# KiCad board Plume.kicad_pcb (continued)
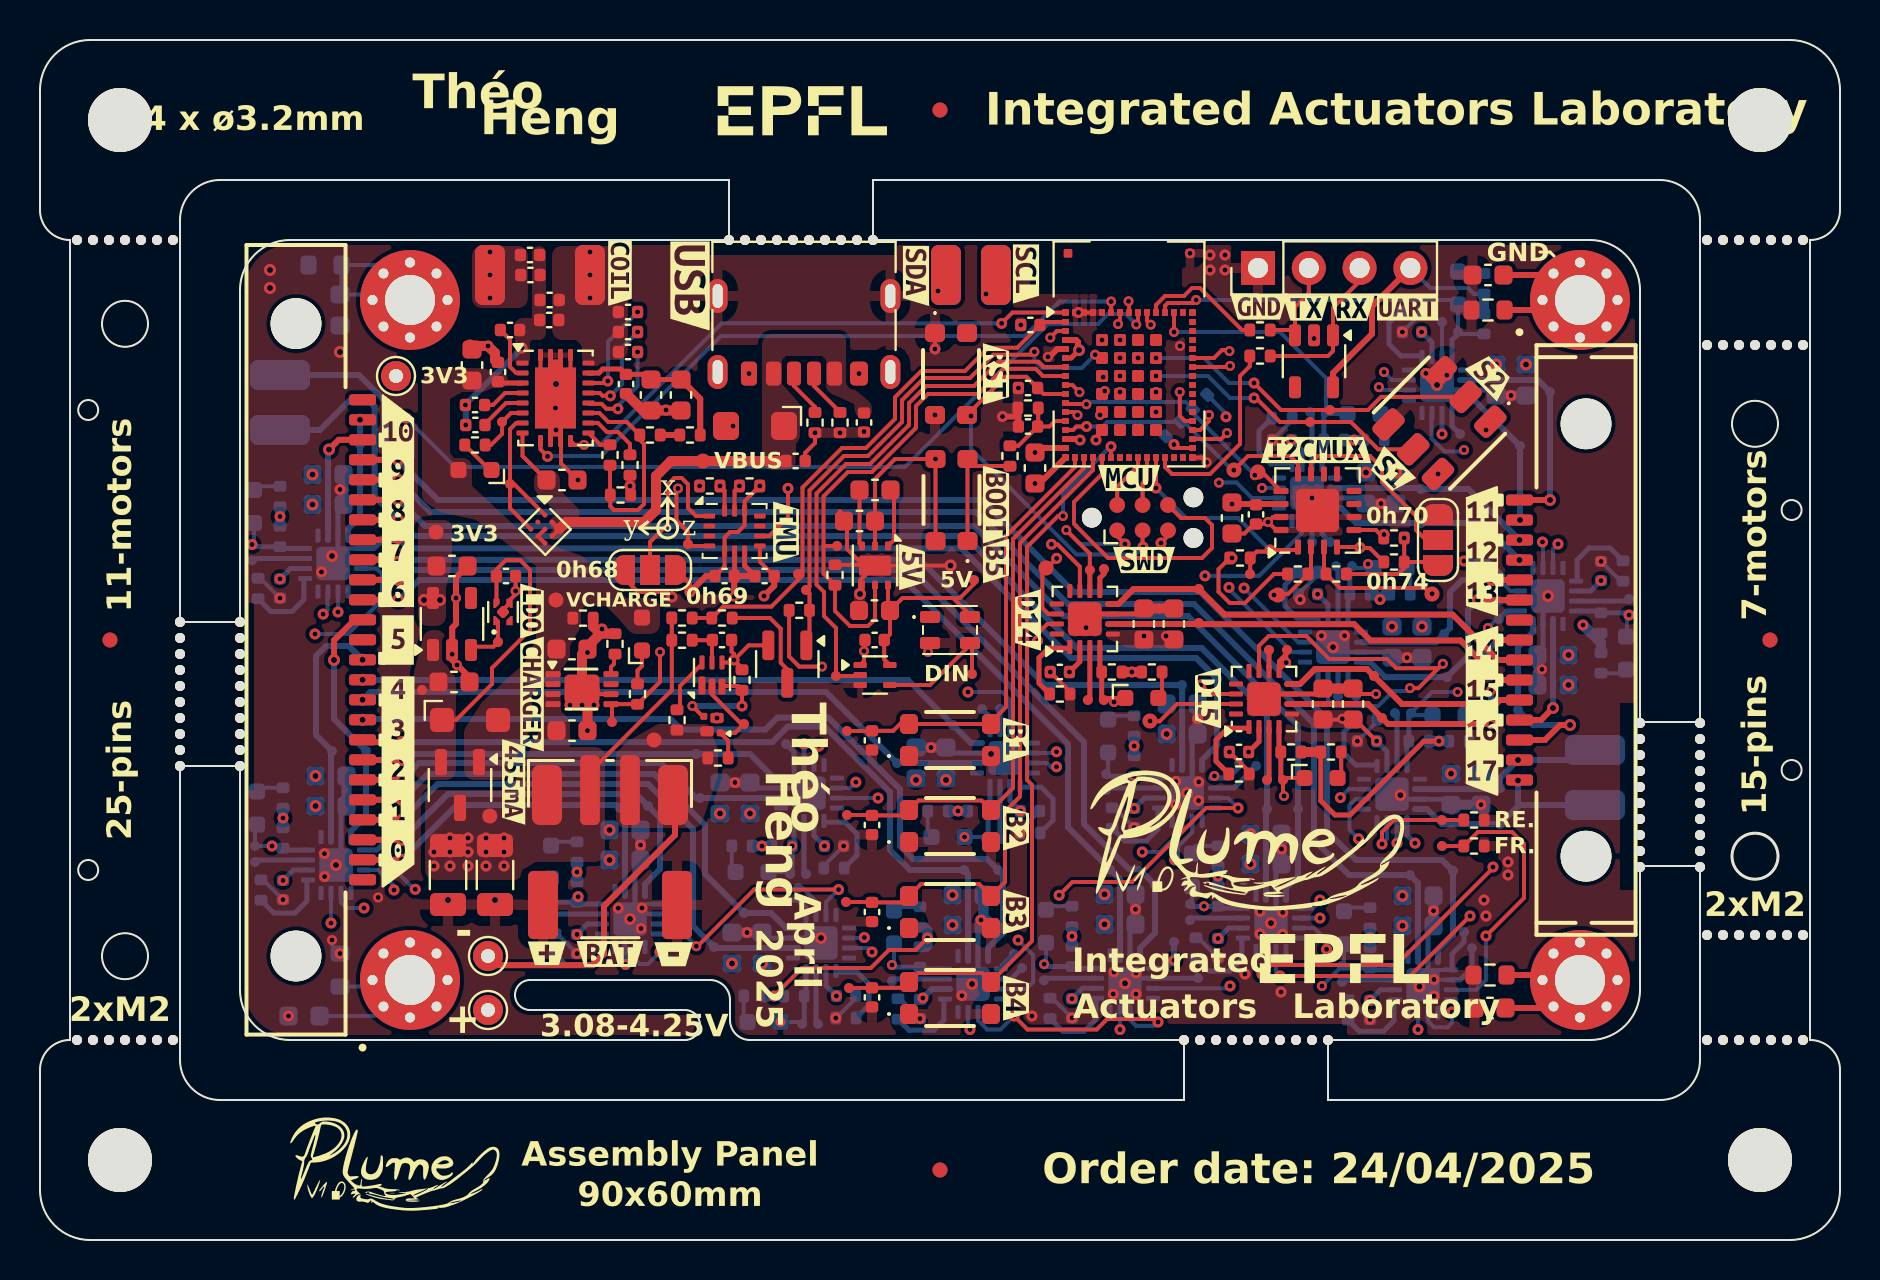
[diagram p0: board, top side]
## Library data of the parts (continued)
R401 R501 R505 R601 R1202 R1302 R1402 R1502 R1602 R1702 R1802 R1902 R2002 R2102 R2202 R2302 R2402 R2502 R2602 R2702 R2802 R2902 = -: Datasheet: https://www.mouser.ch/ProductDetail/KOA-Speer/RK73H1ETTP3300F?qs=4CJzfoelV6C3hCuuGB%2F5LQ%3D%3D&srsltid=AfmBOorFAV_r3n_ZHqFVSt1AMVARFA_bDei9_5k8eMPO8TmLocPZiwb0; Description: Resistor; Manufacturer: KOA Speer; Manufacturer Part Number: RK73H1ETTP3300F; Supplier: Mouser Electronics; Supplier Part Number: 660-RK73H1ETTP3300F; ki_fp_filters: R_*
R402 R503 R605 R606 R608 = -: Datasheet: https://www.mouser.ch/ProductDetail/KOA-Speer/RK73H1ETTPB1002F?qs=sGAEpiMZZMvdGkrng054t65cMycmke1dK22GtXiM9hM%3D; Description: Resistor; Manufacturer Part Number: RK73H1ETTPB1002F; Supplier: Mouser Electronics; Manufacturer: KOA Speer; Supplier Part Number: 660-RK73H1ETTPB1002F; ki_fp_filters: R_*
R403 R405 = -: Datasheet: https://www.mouser.ch/ProductDetail/KOA-Speer/RK73H1ETTP22R0F?qs=sGAEpiMZZMvdGkrng054t3pr%252BPE%2FADjsS0BXRqkxQW4%3D; Description: Resistor; Supplier: Mouser Electronics; Manufacturer: KOA Speer; Manufacturer Part Number: RK73H1ETTP22R0F; Supplier Part Number: 660-RK73H1ETTP22R0F; ki_fp_filters: R_*
R404 R406 R509 R701 R801 R901 R1203 R1303 R1403 R1503 R1603 R1703 R1803 R1903 R2003 R2103 R2203 R2303 R2403 R2503 R2603 R2703 R2803 R2903 = -: Datasheet: https://www.mouser.ch/ProductDetail/Panasonic/ERJ-2RKF1003X?qs=H7k1u0Mp9JQnXoBKdf15Qg%3D%3D&srsltid=AfmBOoqeXQAkmmFNUQ00LBqf1Lst2nRPq23Re-qHGOP3a-hhvFcsdLLw&_gl=1*hxzi37*_ga*MjY0ODgyOTc1LjE3NDM2NjQzNDc.*_ga_15W4STQT4T*MTc0MzY4Mzk2Ny42LjEuMTc0MzY4NDYzMy41Mi4wLjA.; Description: Resistor; Supplier: Mouser Electronics; Manufacturer: Panasonic; Manufacturer Part Number: ERJ-2RKF1003X; Supplier Part Number: 667-ERJ-2RKF1003X; ki_fp_filters: R_*
R502 R802-R807 R1001 R1002 = -: Datasheet: https://www.mouser.ch/ProductDetail/KOA-Speer/RK73H1ETTP3001F?qs=pim%252BJ6MgNfS80Tm8%2FkBkXQ%3D%3D; Description: Resistor; Supplier: Mouser Electronics; Manufacturer: KOA Speer; Manufacturer Part Number: RK73H1ETTP3001F; Supplier Part Number: 660-RK73H1ETTP3001F; ki_fp_filters: R_*
R504 R508 = -: Datasheet: https://www.mouser.ch/ProductDetail/KOA-Speer/RK73H1ETTP2201F?qs=oI046glRuruobG9rEu19Sw%3D%3D; Description: Resistor; Manufacturer: KOA Speer; Manufacturer Part Number: RK73H1ETTP2201F; Supplier: Mouser Electronics; Supplier Part Number: 660-RK73H1ETTP2201F; ki_fp_filters: R_*
R506 R507 = -: Datasheet: https://www.mouser.ch/ProductDetail/KOA-Speer/RK73H1ETTP4994F?qs=v3ImdA%2FOTSQZBfUeBz4Q8A%3D%3D; Description: Resistor; Manufacturer: KOA Speer; Manufacturer Part Number: RK73H1ETTP4994F; Supplier: Mouser Electronics; Supplier Part Number: 660-RK73H1ETTP4994F; ki_fp_filters: R_*
R602 R603 = -: Datasheet: https://www.mouser.ch/ProductDetail/KOA-Speer/RK73H1ETTP5101F?qs=0Mn4dg0AsPAhhJD1ZsgV0Q%3D%3D&srsltid=AfmBOoqlgsDPuKTchPRH-fZtMSDZqsrmJOVdtl0pU-Ms62Fblyc-kJP3; Description: Resistor; Manufacturer Part Number: RK73H1ETTP5101F; Supplier: Mouser Electronics; Manufacturer: KOA Speer; Supplier Part Number: 660-RK73H1ETTP5101F; ki_fp_filters: R_*
R604 R607 = -: Datasheet: https://www.mouser.ch/ProductDetail/Vishay-Dale/CRCW0402196RFKED?qs=9Aka%2FNDvCXC%2FtFusjSrxBQ%3D%3D; Description: Resistor; Manufacturer Part Number: CRCW0402196RFKED; Supplier: Mouser Electronics; Manufacturer: Vishay / Dale; Supplier Part Number: 71-CRCW0402196RFKED; ki_fp_filters: R_*
R1201 R1301 R1401 R1501 R1601 R1701 R1801 R1901 R2001 R2101 R2201 R2301 R2401 R2501 R2601 R2701 R2801 R2901 = -: Datasheet: https://www.mouser.fr/ProductDetail/Vishay-Dale/CRCW0402680RFKEDC?qs=E3Y5ESvWgWPmgUvh1o91RA%3D%3D; Description: Resistor; Supplier: Mouser Electronics; Manufacturer: Vishay / Dale; Manufacturer Part Number: CRCW0402680RFKEDC; Supplier Part Number: 71-CRCW0402680RFKEDC; ki_fp_filters: R_*
R3001-R3004 = -: Datasheet: https://www.mouser.ch/ProductDetail/YAGEO/RC0603FR-100RL?qs=gY0y7AQI9SNjcfwXbqIKbg%3D%3D; Description: Resistor, small symbol; Manufacturer Part Number: RC0603FR-100RL; Supplier: Mouser Electronics; Manufacturer: YAGEO; Supplier Part Number: 603-RC0603FR-100RL; ki_fp_filters: R_*
SW401 SW402 SW404-SW407 = -: Datasheet: https://www.ckswitches.com/media/1479/kmr2.pdf; Description: Tactile Switches SMT Micro Miniature Tactile Switch with 1.9 mm Height Actuator; Manufacturer: C&K; Manufacturer Part Number: KMR232NG ULC LFS; Supplier: Mouser Electronics; Supplier Part Number: 611-KMR232NGULCLFS; ki_fp_filters: SW*MEC*5G*
SW403 = -: Datasheet: https://www.mouser.ch/datasheet/2/972/cas-1628136.pdf; Description: Slide Switches Dual SPDT, ON-ON, slide, J-hook SMD terminals, 100mA @ 6V DC, T&R packaging, non-washable without seal tape; Manufacturer: Nidec Components; Manufacturer Part Number: CAS-D20TA1; Supplier: Mouser Electronics; Supplier Part Number: 229-CAS-D20TA1
TP401-TP408 TP501-TP509 TP601-TP604 TP701-TP704 TP801 TP901-TP904 TP1001 TP1002 TP1101-TP1106 TP1201-TP1206 TP1301-TP1306 TP1401-TP1406 TP1501-TP1506 TP1601-TP1606 TP1701-TP1706 TP1801-TP1806 TP1901-TP1906 TP2001-TP2006 TP2101-TP2106 TP2201-TP2206 TP2301-TP2306 TP2401-TP2406 TP2501-TP2506 TP2601-TP2606 TP2701-TP2706 TP2801-TP2806 TP2901-TP2906 = -: Description: test point; ki_fp_filters: Pin* Test*
U401 = -: Datasheet: https://www.st.com/resource/en/datasheet/stm32wb5mmg.pdf; Description: ST Microelectronics STM32WB55VG ARM Cortex Bluetooth Low Energy 5.0, Zigbee and 802.15.4 module, 1 MB Flash, 256kb RAM, Fully integrated BOM; Manufacturer: STMicroelectronics; Supplier: Mouser Electronics; Supplier Part Number: 511-STM32WB5MMGH6TR; ki_fp_filters: RF?Module:ST?SiP?LGA?86?11x7.3mm*
U501 = -: Datasheet: http://www.ti.com/lit/ds/symlink/bq2970.pdf; Description: Voltage and Current Protection for Single-Cell Li-Ion and Li-Polymer Batteries; Manufacturer: Texas Instruments; Supplier: Mouser Electronics; Supplier Part Number: 595-BQ29737DSER; ki_fp_filters: WSON*1.5x1.5mm*P0.5mm*
U502 = -: Datasheet: https://www.mouser.ch/datasheet/2/268/MCP73831_Family_Data_Sheet_DS20001984H-3441711.pdf; Description: Miniature Single-Cell, Fully Integrated Li-Ion, Li-Polymer Charge Management Controllers; Manufacturer: Microchip Technology; Supplier: Mouser Electronics; Supplier Part Number: 579-MCP73831T-2ACIMC
U601 = -: Datasheet: https://www.ti.com/lit/ds/symlink/bq51013c-q1.pdf?ts=1743760265944&ref_url=https%253A%252F%252Fwww.mouser.ch%252F; Description: Automotive Highly Integrated Wireless Receiver Qi (WPC v2.0) Compliant Power Supply; Manufacturer: Texas Instruments; Supplier: Mouser Electronics; Supplier Part Number: 595-BQ51013CQWRHLRQ1; ki_fp_filters: Texas?VQFN?RHL*
U701 = -: Datasheet: http://www.ti.com/lit/ds/sbvs193d/sbvs193d.pdf; Description: 150-nA, Ultralow Power, Supply Voltage Monitor, X2SON-4; Manufacturer: Texas Instruments; Supplier: Mouser Electronics; Supplier Part Number: 595-TPS3839G33DQNR; ki_fp_filters: Texas*X2SON*1x1mm*P0.65mm*
U702 = -: Datasheet: https://www.ti.com/lit/ds/symlink/tps7a02.pdf?ts=1745064259825; Description: TPS7A02 Nanopower IQ, 25-nA, 200-mA, Low-Dropout Voltage Regulator With Fast Transient Response; Manufacturer: Texas Instruments; Supplier: Mouser Electronics; Supplier Part Number: 595-TPS7A0233DBVR; ki_fp_filters: *X2SON*1x1mm*P0.65mm*
U801 = -: Datasheet: https://www.ti.com/lit/ds/symlink/pca9546a.pdf?ts=1743761042172&ref_url=https%253A%252F%252Fwww.mouser.fr%252F; Description: Low Voltage 4-Channel I2C and SMBus Switch with Reset Function; Manufacturer: Texas Instruments; Supplier: Mouser Electronics; Supplier Part Number: 595-PCA9546ARGVR
U1001 = -: Datasheet: https://www.bosch-sensortec.com/media/boschsensortec/downloads/datasheets/bst-bmi270-ds000.pdf; Description: 6-axis, low-power,  smart IMU; Manufacturer: Bosch Sensortec; Supplier: Mouser Electronics; Supplier Part Number: 262-BMI270; ki_fp_filters: Bosch*LGA*3x2.5mm*P0.5mm*

## Footprints (pads in the part's own frame, mm; a bottom-side part is the same pattern mirrored in y, then rotated)
Bosch_LGA-14_3x2.5mm_P0.5mm
  rrect 0.575x0.25 smd: 1(-1.262,0.75) 2(-1.262,0.25) 3(-1.262,-0.25) 4(-1.262,-0.75) 8(1.262,-0.75) 9(1.262,-0.25) 10(1.262,0.25) 11(1.262,0.75)
  rrect 0.25x0.575 smd: 5(-0.5,-1.012) 6(0,-1.012) 7(0.5,-1.012) 12(0.5,1.012) 13(0,1.012) 14(-0.5,1.012)
C_0402_1005Metric
  rrect 0.56x0.62 smd: 1(-0.48,0) 2(0.48,0)
C_0603_1608Metric
  rrect 0.9x0.95 smd: 1(-0.775,0) 2(0.775,0)
C_1206_3216Metric
  rrect 1.15x1.8 smd: 1(-1.475,0) 2(1.475,0)
CAS-D2xx
  rrect 1x1.6 smd: 1(-1.75,-1.85) 2(0,-1.85) 3(1.75,-1.85) 4(-1.75,1.85) 5(0,1.85) 6(1.75,1.85)
CONN_S2B-PH-SM4-TB_JST
  rrect 0.991x3.505 smd: 1(-1,2.955) 2(1,2.955)
  rrect 1.499x3.404 smd: 3(-3.35,-2.795) 4(3.35,-2.795)
Connector_SolderWirePad_SMD_1,5x3mm
  rrect 1.5x3 smd: 1(0,0)
CSD85302L
  rrect 0.35x0.35 smd: G1(-0.41,0.41) G2(0.41,-0.41)
  rrect 0.67x0.51 smd: S1(0.25,0.33) S2(-0.25,-0.33)
D_SOD-123FL
  rrect 1.3x1.4 smd: 1(-1.45,0) 2(1.45,0)
DFN_2x3mm
  rrect 0.75x0.3 smd: 1(-1.45,0.75) 2(-1.45,0.25) 3(-1.45,-0.25) 4(-1.45,-0.75) 5(1.45,-0.75) 6(1.45,-0.25) 7(1.45,0.25) 8(1.45,0.75)
  rrect 1.75x1.45 smd: 9(0,0)
Fiducial_0.75mm_Mask2.25mm
  round 0.75 smd: (0,0)
INPI22TAT5R5G5B
  rrect 1x0.6 smd: 1(1,-0.65) 2(1,0.65) 3(-1,0.65) 4(-1,-0.65)
LED_0603_KingBright
  rrect 0.8x0.8 smd: 1(-0.825,0) 2(0.825,0)
MountingHole_2.5mm_Pad_Via
  round 0.8 hole 0.5: 1(-1.875,0) 1(-1.326,1.326) 1(-1.326,-1.326) 1(0,1.875) 1(0,-1.875) 1(1.326,1.326) 1(1.326,-1.326) 1(1.875,0)
  round 5 hole 2.5: 1(0,0)
MountingHole_3.2mm_M3
  round 3.2 hole 3.2 unplated: (0,0)
Nexperia_CFP3_SOD-123W
  rrect 1.2x1.2 smd: 1(-1.4,0) 2(1.4,0)
PinHeader_1x04_P2.54mm_Vertical
  rect 1.7x1.7 hole 1: 1(0,0)
  oval 1.7x1.7 hole 1: 2(0,-2.54) 3(0,-5.08) 4(0,-7.62)
R_0402_1005Metric
  rrect 0.54x0.64 smd: 1(-0.51,0) 2(0.51,0)
R_0603_1608Metric
  rrect 0.8x0.95 smd: 1(-0.825,0) 2(0.825,0)
SAMTEC_SEI-115-02-GF-S-M-AT
  round 2.54 hole 2.54 unplated: (-10.81,0.001) (10.81,0.001)
  rrect 0.56x1.35 smd: 1(-7,-3.326) 2(-6,-3.326) 3(-5,-3.326) 4(-4,-3.326) 5(-3,-3.326) 6(-2,-3.326) 7(-1,-3.326) 8(0,-3.326) 9(1,-3.326) 10(2,-3.326) 11(3,-3.326) 12(4,-3.326) 13(5,-3.326) 14(6,-3.326) 15(7,-3.326)
SAMTEC_SEI-125-02-GF-S-M-AT
  round 2.54 hole 2.54 unplated: (-15.81,0.001) (15.81,0.001)
  rrect 0.56x1.35 smd: 1(-12,-3.326) 2(-11,-3.326) 3(-10,-3.326) 4(-9,-3.326) 5(-8,-3.326) 6(-7,-3.326) 7(-6,-3.326) 8(-5,-3.326) 9(-4,-3.326) 10(-3,-3.326) 11(-2,-3.326) 12(-1,-3.326) 13(0,-3.326) 14(1,-3.326) 15(2,-3.326) 16(3,-3.326) 17(4,-3.326) 18(5,-3.326) 19(6,-3.326) 20(7,-3.326) 21(8,-3.326) 22(9,-3.326) 23(10,-3.326) 24(11,-3.326) 25(12,-3.326)
SolderJumper-3_P1.3mm_Open_RoundedPad1.0x1.5mm_clean
  custom 1.05x1.5 smd: 1(-1.3,0) 3(1.3,0)
  rect 1x1.5 smd: 2(0,0)
SOT-23
  rrect 1.475x0.6 smd: 1(-0.938,0.95) 2(-0.938,-0.95) 3(0.938,0)
SOT-23-3
  rrect 1.325x0.6 smd: 1(-1.137,0.95) 2(-1.137,-0.95) 3(1.137,0)
SOT-23-5-TEXAS
  rrect 1.1x0.6 smd: 1(-1.3,0.95) 2(-1.3,0) 3(-1.3,-0.95) 4(1.3,-0.95) 5(1.3,0.95)
SOT-553
  rrect 0.67x0.3 smd: 1(-0.74,0.5) 2(-0.74,0) 3(-0.74,-0.5) 4(0.74,-0.5) 5(0.74,0.5)
ST-SiP-LGA-86-11x7.3mm
  rrect 0.35x0.35 smd: 1(-3.175,2.075) 17(-3.175,-5.175) 31(3.175,-5.175) 47(3.175,2.075)
  rrect 0.35x0.3 smd: 2(-3.175,1.6) 3(-3.175,1.15) 4(-3.175,0.7) 5(-3.175,0.25) 6(-3.175,-0.2) 7(-3.175,-0.65) 8(-3.175,-1.1) 9(-3.175,-1.55) 10(-3.175,-2) 11(-3.175,-2.45) 12(-3.175,-2.9) 13(-3.175,-3.35) 14(-3.175,-3.8) 15(-3.175,-4.25) 16(-3.175,-4.7) 32(3.175,-4.7) 33(3.175,-4.25) 34(3.175,-3.8) 35(3.175,-3.35) 36(3.175,-2.9) 37(3.175,-2.45) 38(3.175,-2) 39(3.175,-1.55) 40(3.175,-1.1) 41(3.175,-0.65) 42(3.175,-0.2) 43(3.175,0.25) 44(3.175,0.7) 45(3.175,1.15) 46(3.175,1.6)
  rrect 0.3x0.35 smd: 18(-2.7,-5.175) 19(-2.25,-5.175) 20(-1.8,-5.175) 21(-1.35,-5.175) 22(-0.9,-5.175) 23(-0.45,-5.175) 24(0,-5.175) 25(0.45,-5.175) 26(0.9,-5.175) 27(1.35,-5.175) 28(1.8,-5.175) 29(2.25,-5.175) 30(2.7,-5.175) 48(2.7,2.075) 49(2.25,2.075) 50(1.8,2.075) 51(1.35,2.075) 52(0.9,2.075) 53(0.45,2.075) 54(0,2.075) 55(-0.45,2.075) 56(-0.9,2.075) 57(-1.35,2.075) 58(-1.8,2.075) 59(-2.25,2.075) 60(-2.7,2.075)
  rrect 0.6x0.6 smd: 61(-1.35,0.7) 62(-1.35,-0.2) 63(-1.35,-1.1) 64(-1.35,-2) 65(-1.35,-2.9) 66(-1.35,-3.8) 67(-0.45,-3.8) 68(0.45,-3.8) 69(1.35,-3.8) 70(1.35,-2.9) 71(1.35,-2) 72(1.35,-1.1) 73(1.35,-0.2) 74(1.35,0.7) 75(0.45,0.7) 76(-0.45,0.7) 77(-0.45,-0.2) 78(-0.45,-1.1) 79(-0.45,-2) 80(-0.45,-2.9) 81(0.45,-2.9) 82(0.45,-2) 83(0.45,-1.1) 84(0.45,-0.2)
  rrect 0.43x0.43 smd: 85(-3.05,5.035) 86(3.05,5.035)
SW_KMR232NGULCLFS
  rrect 0.9x1 smd: 1(2.05,0.8) 2(2.05,-0.8) 3(-2.05,-0.8) 4(-2.05,0.8)
Tag-Connect_TC2030-IDC-NL_2x03_P1.27mm_Vertical
  round 0.991 hole 0.991 unplated: (-2.54,0) (2.54,1.016) (2.54,-1.016)
  round 0.787 smd: 1(-1.27,-0.635) 2(-1.27,0.635) 3(0,-0.635) 4(0,0.635) 5(1.27,-0.635) 6(1.27,0.635)
TestPoint_Pad_D0.5mm_Back
  round 0.5 smd: 1(0,0)
TestPoint_Pad_D0.5mm_Front
  round 0.5 smd: 1(0,0)
TestPoint_Pad_D0.75mm_Front
  round 0.75 smd: 1(0,0)
TestPoint_THTPad_D1.5mm_Drill0.7mm
  round 1.5 hole 0.7: 1(0,0)
Texas_DSBGA-9_1.62x1.58mm_Layout3x3_P0.5mm
  round 0.25 smd: 1(-0.5,0.5) 2(0,0.5) 3(0.5,0.5) 4(-0.5,0) 5(0,0) 6(0.5,0) 7(-0.5,-0.5) 8(0,-0.5) 9(0.5,-0.5)
Texas_RSA_VQFN-16-1EP_4x4mm_P0.65mm_EP2.16x2.16mm
  rrect 0.96x0.96 smd: (-0.58,0.58) (-0.58,-0.58) (0.58,0.58) (0.58,-0.58)
  rrect 0.75x0.305 smd: 1(-1.825,0.975) 2(-1.825,0.325) 3(-1.825,-0.325) 4(-1.825,-0.975) 9(1.825,-0.975) 10(1.825,-0.325) 11(1.825,0.325) 12(1.825,0.975)
  rrect 0.305x0.75 smd: 5(-0.975,-1.825) 6(-0.325,-1.825) 7(0.325,-1.825) 8(0.975,-1.825) 13(0.975,1.825) 14(0.325,1.825) 15(-0.325,1.825) 16(-0.975,1.825)
  rrect 2.16x2.16 smd: 17(0,0)
Texas_VQFN-RHL-20
  rrect 0.92x1.33 smd: (-0.561,0.8) (-0.56,-0.8) (0.55,0.8) (0.55,-0.8)
  rrect 0.75x0.25 smd: (0,1.8) (0,-1.8)
  rrect 0.25x0.6 smd: 1(-0.75,2.15) 10(-0.75,-2.15) 11(0.75,-2.15) 20(0.75,2.15)
  rrect 0.6x0.25 smd: 2(-1.65,1.75) 3(-1.65,1.25) 4(-1.65,0.75) 5(-1.65,0.25) 6(-1.65,-0.25) 7(-1.65,-0.75) 8(-1.65,-1.25) 9(-1.65,-1.75) 12(1.65,-1.75) 13(1.65,-1.25) 14(1.65,-0.75) 15(1.65,-0.25) 16(1.65,0.25) 17(1.65,0.75) 18(1.65,1.25) 19(1.65,1.75)
  rrect 0.25x0.65 smd: 21(-0.25,2.125) 21(-0.25,-2.125) 21(0.25,2.125)
  custom 2.05x3.85 smd: 21(0,0)
  rrect 0.25x0.675 smd: 21(0.25,-2.112)
Texas_X2SON-4_1x1mm_P0.65mm
  custom 0.36x0.21 smd: (-0.43,0.325) (-0.43,-0.325) (0.43,0.325) (0.43,-0.325)
  custom 0.4x0.21 smd: (-0.43,0.325) (-0.43,-0.325) (0.43,0.325) (0.43,-0.325)
  custom 0.46x0.31 smd: 1(-0.43,0.325) 2(-0.43,-0.325) 3(0.43,-0.325) 4(0.43,0.325)
  rrect 0.5x0.5 smd rot 45: 5(0,0)
unnamed
  round 0.5 hole 0.5 unplated: (0,0)
USB4125-GF-A
  rrect 0.7x1.2 smd: A5(-0.5,3.08) B5(0.5,3.08)
  rrect 0.76x1.2 smd: A9(1.52,3.08) B9(-1.52,3.08)
  rrect 0.8x1.2 smd: A12(2.75,3.08)
  rrect 0.9x1.2 smd: B12(-2.75,3.08)
  oval 1x1.7 hole 0.5x1.2: S1(-4.32,3) S1(-4.32,-0.8) S1(4.32,3) S1(4.32,-0.8)
WQFN-16-1EP_3x3mm_P0.5mm_EP1.68x1.68mm_ThermalVias
  rrect 0.73x0.73 smd: (-0.42,0.42) (-0.42,-0.42) (0.42,0.42) (0.42,-0.42)
  rrect 0.7x0.25 smd: 1(-1.4,0.75) 2(-1.4,0.25) 3(-1.4,-0.25) 4(-1.4,-0.75) 9(1.4,-0.75) 10(1.4,-0.25) 11(1.4,0.25) 12(1.4,0.75)
  rrect 0.25x0.7 smd: 5(-0.75,-1.4) 6(-0.25,-1.4) 7(0.25,-1.4) 8(0.75,-1.4) 13(0.75,1.4) 14(0.25,1.4) 15(-0.25,1.4) 16(-0.75,1.4)
  rrect 1.68x1.68 smd: 17(0,0)
WSON-6-1EP_2x2mm_P0.65mm_EP1x1.6mm
  rrect 1x0.7 smd: (0,0.45) (0,-0.45)
  rrect 0.45x0.3 smd: 1(-0.975,0.65) 2(-0.975,0) 3(-0.975,-0.65) 4(0.975,-0.65) 5(0.975,0) 6(0.975,0.65)
  rrect 1x1.6 smd: 7(0,0)
WSON-6_1.5x1.5mm_P0.5mm
  rrect 0.9x0.35 smd: 1(-0.55,0.5)
  rrect 0.8x0.35 smd: 2(-0.6,0) 3(-0.6,-0.5)
  rrect 0.7x0.25 smd: 4(0.6,-0.5) 5(0.6,0) 6(0.6,0.5)

## Nets
+3V3: C403.1 C703.1 C801.1 C802.1 C904.1 C1001.1 C1002.1 D401.5 IC902.2 IC1401.10 IC1701.10 IC1801.9 IC1901.9 IC2001.9 IC2001.10 IC2301.10 IC2601.10 IC2701.9 IC2801.9 IC2901.9 IC2901.10 J401.4 J402.1 JP801.1 JP1001.3 R801.1 R802.1 R803.1 R804.1 R805.1 R806.1 R807.1 R1001.1 R1002.1 R1202.1 R1203.1 R1302.1 R1303.1 R1402.1 R1403.1 R1502.1 R1503.1 R1602.1 R1603.1 R1702.1 R1703.1 R1802.1 R1803.1 R1902.1 R1903.1 R2002.1 R2003.1 R2102.1 R2103.1 R2202.1 R2203.1 R2302.1 R2303.1 R2402.1 R2403.1 R2502.1 R2503.1 R2602.1 R2603.1 R2702.1 R2703.1 R2802.1 R2803.1 R2902.1 R2903.1 SW401.2 SW401.3 SW403.1 SW403.4 TP702.1 TP703.1 TP1405.1 TP1705.1 TP1806.1 TP1906.1 TP2005.1 TP2006.1 TP2305.1 TP2605.1 TP2706.1 TP2806.1 TP2905.1 TP2906.1 U401.4 U401.6 U401.15 U401.17 U401.32 U702.5 U801.14 U1001.5 U1001.8 U1001.12
+VBUS: C603.1 C604.1 C605.1 D601.1 J602.A9 J602.B9 Q601.2 Q601.3 Q601.6 TP601.1 U601.9
/Project Architecture/MCU - Unit/5V_ENABLE: IC902.5 R901.1 TP901.1 U401.8
/Project Architecture/Power - Battery Management/+VBAT: C501.1 C502.2 C503.2 C1201.1 C1202.1 C1203.1 C1301.1 C1302.1 C1303.1 C1401.1 C1402.1 C1403.1 C1501.1 C1502.1 C1503.1 C1601.1 C1602.1 C1603.1 C1701.1 C1702.1 C1703.1 C1801.1 C1802.1 C1803.1 C1901.1 C1902.1 C1903.1 C2001.1 C2002.1 C2003.1 C2101.1 C2102.1 C2103.1 C2201.1 C2202.1 C2203.1 C2301.1 C2302.1 C2303.1 C2401.1 C2402.1 C2403.1 C2501.1 C2502.1 C2503.1 C2601.1 C2602.1 C2603.1 C2701.1 C2702.1 C2703.1 C2801.1 C2802.1 C2803.1 C2901.1 C2902.1 C2903.1 IC1201.2 IC1201.5 IC1301.2 IC1301.5 IC1401.2 IC1401.5 IC1501.2 IC1501.5 IC1601.2 IC1601.5 IC1701.2 IC1701.5 IC1801.2 IC1801.5 IC1901.2 IC1901.5 IC2001.2 IC2001.5 IC2101.2 IC2101.5 IC2201.2 IC2201.5 IC2301.2 IC2301.5 IC2401.2 IC2401.5 IC2501.2 IC2501.5 IC2601.2 IC2601.5 IC2701.2 IC2701.5 IC2801.2 IC2801.5 IC2901.2 IC2901.5 J501.1 J502.1 Q701.3 R501.1 R502.1 TP508.1 TP509.1 U502.3 U502.4
/Project Architecture/Power - Battery Management/-VBAT: J502.2 J503.1 Q502.S1 R504.2 R506.2 TP506.1 TP507.1
/Project Architecture/Power - Path & Generation/3V3_EN: TP701.1 U701.1 U702.3
/Project Architecture/Power - Path & Generation/+VDD: C701.1 C702.1 D701.1 Q701.2 TP704.1 U701.4 U702.1
/Project Architecture/User - RGB LED Indicator/+5V: C902.1 C903.1 D901.4 IC901.5 IC902.6 TP904.1
GND: C401.2 C402.2 C403.2 C407.2 C408.2 C409.2 C410.2 C501.2 C502.1 C503.1 C504.1 C505.1 C506.1 C601.2 C602.2 C603.2 C604.2 C605.2 C616.2 C617.2 C618.2 C701.2 C702.2 C703.2 C801.2 C802.2 C902.2 C903.2 C904.2 C1001.2 C1002.2 C1201.2 C1202.2 C1203.2 C1301.2 C1302.2 C1303.2 C1401.2 C1402.2 C1403.2 C1501.2 C1502.2 C1503.2 C1601.2 C1602.2 C1603.2 C1701.2 C1702.2 C1703.2 C1801.2 C1802.2 C1803.2 C1901.2 C1902.2 C1903.2 C2001.2 C2002.2 C2003.2 C2101.2 C2102.2 C2103.2 C2201.2 C2202.2 C2203.2 C2301.2 C2302.2 C2303.2 C2401.2 C2402.2 C2403.2 C2501.2 C2502.2 C2503.2 C2601.2 C2602.2 C2603.2 C2701.2 C2702.2 C2703.2 C2801.2 C2802.2 C2803.2 C2901.2 C2902.2 C2903.2 C3001.2 C3002.2 C3003.2 C3004.2 D401.2 D601.2 D901.2 IC901.1 IC901.3 IC902.4 IC902.7 IC1201.7 IC1201.9 IC1201.10 IC1201.17 IC1301.7 IC1301.9 IC1301.17 IC1401.7 IC1401.9 IC1401.17 IC1501.7 IC1501.10 IC1501.17 IC1601.7 IC1601.17 IC1701.7 IC1701.17 IC1801.7 IC1801.10 IC1801.17 IC1901.7 IC1901.17 IC2001.7 IC2001.17 IC2101.7 IC2101.9 IC2101.10 IC2101.17 IC2201.7 IC2201.9 IC2201.17 IC2301.7 IC2301.9 IC2301.17 IC2401.7 IC2401.10 IC2401.17 IC2501.7 IC2501.17 IC2601.7 IC2601.17 IC2701.7 IC2701.10 IC2701.17 IC2801.7 IC2801.17 IC2901.7 IC2901.17 J401.1 J402.5 J502.3 J502.4 J602.A12 J602.B12 J602.S1 JP801.3 JP1001.1 Q501.2 Q502.S2 R402.1 R404.2 R406.2 R507.1 R508.2 R509.2 R602.1 R603.1 R607.2 R608.1 R701.2 R901.2 R1201.2 R1301.2 R1401.2 R1501.2 R1601.2 R1701.2 R1801.2 R1901.2 R2001.2 R2101.2 R2201.2 R2301.2 R2401.2 R2501.2 R2601.2 R2701.2 R2801.2 R2901.2 R3001.2 R3002.2 R3003.2 R3004.2 SW402.1 SW402.4 SW403.3 SW403.6 SW404.1 SW404.4 SW405.1 SW405.4 SW406.1 SW406.4 SW407.1 SW407.4 TP1205.1 TP1206.1 TP1306.1 TP1406.1 TP1505.1 TP1805.1 TP2105.1 TP2106.1 TP2206.1 TP2306.1 TP2405.1 TP2705.1 U401.5 U401.16 U401.31 U401.57 U401.58 U401.59 U401.60 U401.84 U401.86 U501.4 U502.6 U502.9 U601.1 U601.20 U601.21 U701.3 U701.5 U702.2 U801.6 U801.15 U801.16 U801.17 U1001.6 U1001.7
/Project Architecture/Logic - I2C Mux/A2: JP801.2 U801.11
/Project Architecture/Logic - I2C Mux/I2C1_SCL: R803.2 TP407.1 U401.14 U801.12
/Project Architecture/Logic - I2C Mux/I2C1_SDA: R802.2 TP408.1 U401.11 U801.13
/Project Architecture/Logic - I2C Mux/MUX_RESET: R801.2 TP801.1 U401.27 U801.1
/Project Architecture/Logic - I2C Mux/SC0: IC1201.15 IC1301.15 IC1401.15 IC1501.15 IC1601.15 IC1701.15 IC1801.15 IC1901.15 IC2001.15 R804.2 TP1104.1 U801.3
/Project Architecture/Logic - I2C Mux/SC1: IC2101.15 IC2201.15 IC2301.15 IC2401.15 IC2501.15 IC2601.15 IC2701.15 IC2801.15 IC2901.15 R806.2 TP1106.1 U801.5
/Project Architecture/Logic - I2C Mux/SD0: IC1201.14 IC1301.14 IC1401.14 IC1501.14 IC1601.14 IC1701.14 IC1801.14 IC1901.14 IC2001.14 R805.2 TP1103.1 U801.2
/Project Architecture/Logic - I2C Mux/SD1: IC2101.14 IC2201.14 IC2301.14 IC2401.14 IC2501.14 IC2601.14 IC2701.14 IC2801.14 IC2901.14 R807.2 TP1105.1 U801.4
/Project Architecture/MCU - Unit/BAT_SENSE: C504.2 R502.2 R503.1 TP505.1 U401.2
/Project Architecture/MCU - Unit/BAT_SENSE_EN: Q501.1 R509.1 TP504.1 U401.62
/Project Architecture/MCU - Unit/BOOT0: C401.1 R401.2 R402.2 U401.13
/Project Architecture/MCU - Unit/BOOT0_B: R401.1 SW401.1 SW401.4
/Project Architecture/MCU - Unit/BUTTON1: C407.1 SW404.2 SW404.3 TP401.1 U401.18
/Project Architecture/MCU - Unit/BUTTON2: C408.1 SW405.2 SW405.3 TP402.1 U401.19
/Project Architecture/MCU - Unit/BUTTON3: C409.1 SW406.2 SW406.3 TP403.1 U401.20
/Project Architecture/MCU - Unit/BUTTON4: C410.1 SW407.2 SW407.3 TP404.1 U401.22
/Project Architecture/MCU - Unit/CHARGE_STATUS: R505.2 TP503.1 U401.76 U502.5
/Project Architecture/MCU - Unit/DIN_3V3: IC901.2 TP902.1 U401.7
/Project Architecture/MCU - Unit/EN1: U401.56 U601.10
/Project Architecture/MCU - Unit/EN2: U401.1 U601.11
/Project Architecture/MCU - Unit/I2C3_SCL: J403.1 J404.1 R1002.2 U401.12 U1001.13
/Project Architecture/MCU - Unit/I2C3_SDA: J405.1 J406.1 R1001.2 U401.9 U1001.14
/Project Architecture/MCU - Unit/IMU_INT1: TP1001.1 U401.3 U1001.4
/Project Architecture/MCU - Unit/IMU_INT2: TP1002.1 U401.66 U1001.9
/Project Architecture/MCU - Unit/nFAULT0: IC1201.4 LED1201.1 R1203.2 TP1201.1 U401.53
/Project Architecture/MCU - Unit/nFAULT1: IC1301.4 LED1301.1 R1303.2 TP1301.1 U401.77
/Project Architecture/MCU - Unit/nFAULT2: IC1401.4 LED1401.1 R1403.2 TP1401.1 U401.61
/Project Architecture/MCU - Unit/nFAULT3: IC1501.4 LED1501.1 R1503.2 TP1501.1 U401.63
/Project Architecture/MCU - Unit/nFAULT4: IC1601.4 LED1601.1 R1603.2 TP1601.1 U401.65
/Project Architecture/MCU - Unit/nFAULT5: IC1701.4 LED1701.1 R1703.2 TP1701.1 U401.55
/Project Architecture/MCU - Unit/nFAULT6: IC1801.4 LED1801.1 R1803.2 TP1801.1 U401.79
/Project Architecture/MCU - Unit/nFAULT7: IC1901.4 LED1901.1 R1903.2 TP1901.1 U401.78
/Project Architecture/MCU - Unit/nFAULT8: IC2001.4 LED2001.1 R2003.2 TP2001.1 U401.41
/Project Architecture/MCU - Unit/nFAULT9: IC2101.4 LED2101.1 R2103.2 TP2101.1 U401.42
/Project Architecture/MCU - Unit/nFAULT10: IC2201.4 LED2201.1 R2203.2 TP2201.1 U401.54
/Project Architecture/MCU - Unit/nFAULT11: IC2301.4 LED2301.1 R2303.2 TP2301.1 U401.50
/Project Architecture/MCU - Unit/nFAULT12: IC2401.4 LED2401.1 R2403.2 TP2401.1 U401.49
/Project Architecture/MCU - Unit/nFAULT13: IC2501.4 LED2501.1 R2503.2 TP2501.1 U401.33
/Project Architecture/MCU - Unit/nFAULT14: IC2601.4 LED2601.1 R2603.2 TP2601.1 U401.70
/Project Architecture/MCU - Unit/nFAULT15: IC2701.4 LED2701.1 R2703.2 TP2701.1 U401.35
/Project Architecture/MCU - Unit/nFAULT16: IC2801.4 LED2801.1 R2803.2 TP2801.1 U401.52
/Project Architecture/MCU - Unit/nFAULT17: IC2901.4 LED2901.1 R2903.2 TP2901.1 U401.34
/Project Architecture/MCU - Unit/nSLEEP_FRONT: IC1201.11 IC1301.11 IC1401.11 IC1501.11 IC1601.11 IC1701.11 IC1801.11 IC1901.11 IC2001.11 IC2101.11 IC2201.11 R404.1 TP1101.1 U401.64
/Project Architecture/MCU - Unit/nSLEEP_REAR: IC2301.11 IC2401.11 IC2501.11 IC2601.11 IC2701.11 IC2801.11 IC2901.11 R406.1 TP1102.1 U401.71
/Project Architecture/MCU - Unit/SWCLK: J402.4 U401.26
/Project Architecture/MCU - Unit/SWDIO: J402.2 U401.25
/Project Architecture/MCU - Unit/SWITCH1: SW403.5 TP405.1 U401.72
/Project Architecture/MCU - Unit/SWITCH2: SW403.2 TP406.1 U401.73
/Project Architecture/MCU - Unit/SWO: J402.6 U401.21
/Project Architecture/MCU - Unit/USART1_RX: R405.1 U401.28
/Project Architecture/MCU - Unit/USART1_RX_C: D401.1 J401.3 R405.2
/Project Architecture/MCU - Unit/USART1_TX: R403.1 U401.51
/Project Architecture/MCU - Unit/USART1_TX_C: D401.3 J401.2 R403.2
/Project Architecture/MCU - Unit/~{RESET}: C402.1 J402.3 SW402.3 U401.10
/Project Architecture/Misc - Mounting Holes & Fiducials/HOLE1: C3001.1 H3001.1 R3001.1
/Project Architecture/Misc - Mounting Holes & Fiducials/HOLE2: C3002.1 H3002.1 R3002.1
/Project Architecture/Misc - Mounting Holes & Fiducials/HOLE3: C3003.1 H3003.1 R3003.1
/Project Architecture/Misc - Mounting Holes & Fiducials/HOLE4: C3004.1 H3004.1 R3004.1
/Project Architecture/Motor Control - Drivers/Motor Control - Driver 0/EN/IN1: IC1201.13
/Project Architecture/Motor Control - Drivers/Motor Control - Driver 0/FAULT_LED: LED1201.2 R1202.2
/Project Architecture/Motor Control - Drivers/Motor Control - Driver 0/PH/EN2: IC1201.12
/Project Architecture/Motor Control - Drivers/Motor Control - Driver 0/RC_OUT: IC1201.3 TP1202.1
/Project Architecture/Motor Control - Drivers/Motor Control - Driver 0/VREF: IC1201.16
/Project Architecture/Motor Control - Drivers/Motor Control - Driver 1/A0: IC1301.10 TP1305.1
/Project Architecture/Motor Control - Drivers/Motor Control - Driver 1/EN/IN1: IC1301.13
/Project Architecture/Motor Control - Drivers/Motor Control - Driver 1/FAULT_LED: LED1301.2 R1302.2
/Project Architecture/Motor Control - Drivers/Motor Control - Driver 1/PH/EN2: IC1301.12
/Project Architecture/Motor Control - Drivers/Motor Control - Driver 1/RC_OUT: IC1301.3 TP1302.1
/Project Architecture/Motor Control - Drivers/Motor Control - Driver 1/VREF: IC1301.16
/Project Architecture/Motor Control - Drivers/Motor Control - Driver 2/EN/IN1: IC1401.13
/Project Architecture/Motor Control - Drivers/Motor Control - Driver 2/FAULT_LED: LED1401.2 R1402.2
/Project Architecture/Motor Control - Drivers/Motor Control - Driver 2/PH/EN2: IC1401.12
/Project Architecture/Motor Control - Drivers/Motor Control - Driver 2/RC_OUT: IC1401.3 TP1402.1
/Project Architecture/Motor Control - Drivers/Motor Control - Driver 2/VREF: IC1401.16
/Project Architecture/Motor Control - Drivers/Motor Control - Driver 3/A1: IC1501.9 TP1506.1
/Project Architecture/Motor Control - Drivers/Motor Control - Driver 3/EN/IN1: IC1501.13
/Project Architecture/Motor Control - Drivers/Motor Control - Driver 3/FAULT_LED: LED1501.2 R1502.2
/Project Architecture/Motor Control - Drivers/Motor Control - Driver 3/PH/EN2: IC1501.12
/Project Architecture/Motor Control - Drivers/Motor Control - Driver 3/RC_OUT: IC1501.3 TP1502.1
/Project Architecture/Motor Control - Drivers/Motor Control - Driver 3/VREF: IC1501.16
/Project Architecture/Motor Control - Drivers/Motor Control - Driver 4/A0: IC1601.10 TP1605.1
/Project Architecture/Motor Control - Drivers/Motor Control - Driver 4/A1: IC1601.9 TP1606.1
/Project Architecture/Motor Control - Drivers/Motor Control - Driver 4/EN/IN1: IC1601.13
/Project Architecture/Motor Control - Drivers/Motor Control - Driver 4/FAULT_LED: LED1601.2 R1602.2
/Project Architecture/Motor Control - Drivers/Motor Control - Driver 4/PH/EN2: IC1601.12
/Project Architecture/Motor Control - Drivers/Motor Control - Driver 4/RC_OUT: IC1601.3 TP1602.1